# Altium PCB pay-ssm-v4-3.PcbDoc (part 4 of 4)
Units mm, origin at the board's own origin, x right, y up, seen from the top; angles counter-clockwise.
Board outline 127 x 55.12 mm, 6 copper layers (Top Layer, GND1, VCC, 3V3, GND2, Bottom Layer), stack 0.816 mm thick; 295 components, 220 nets, 1035 pads, 545 vias.
Unrouted connection lines stored in the file: 2.
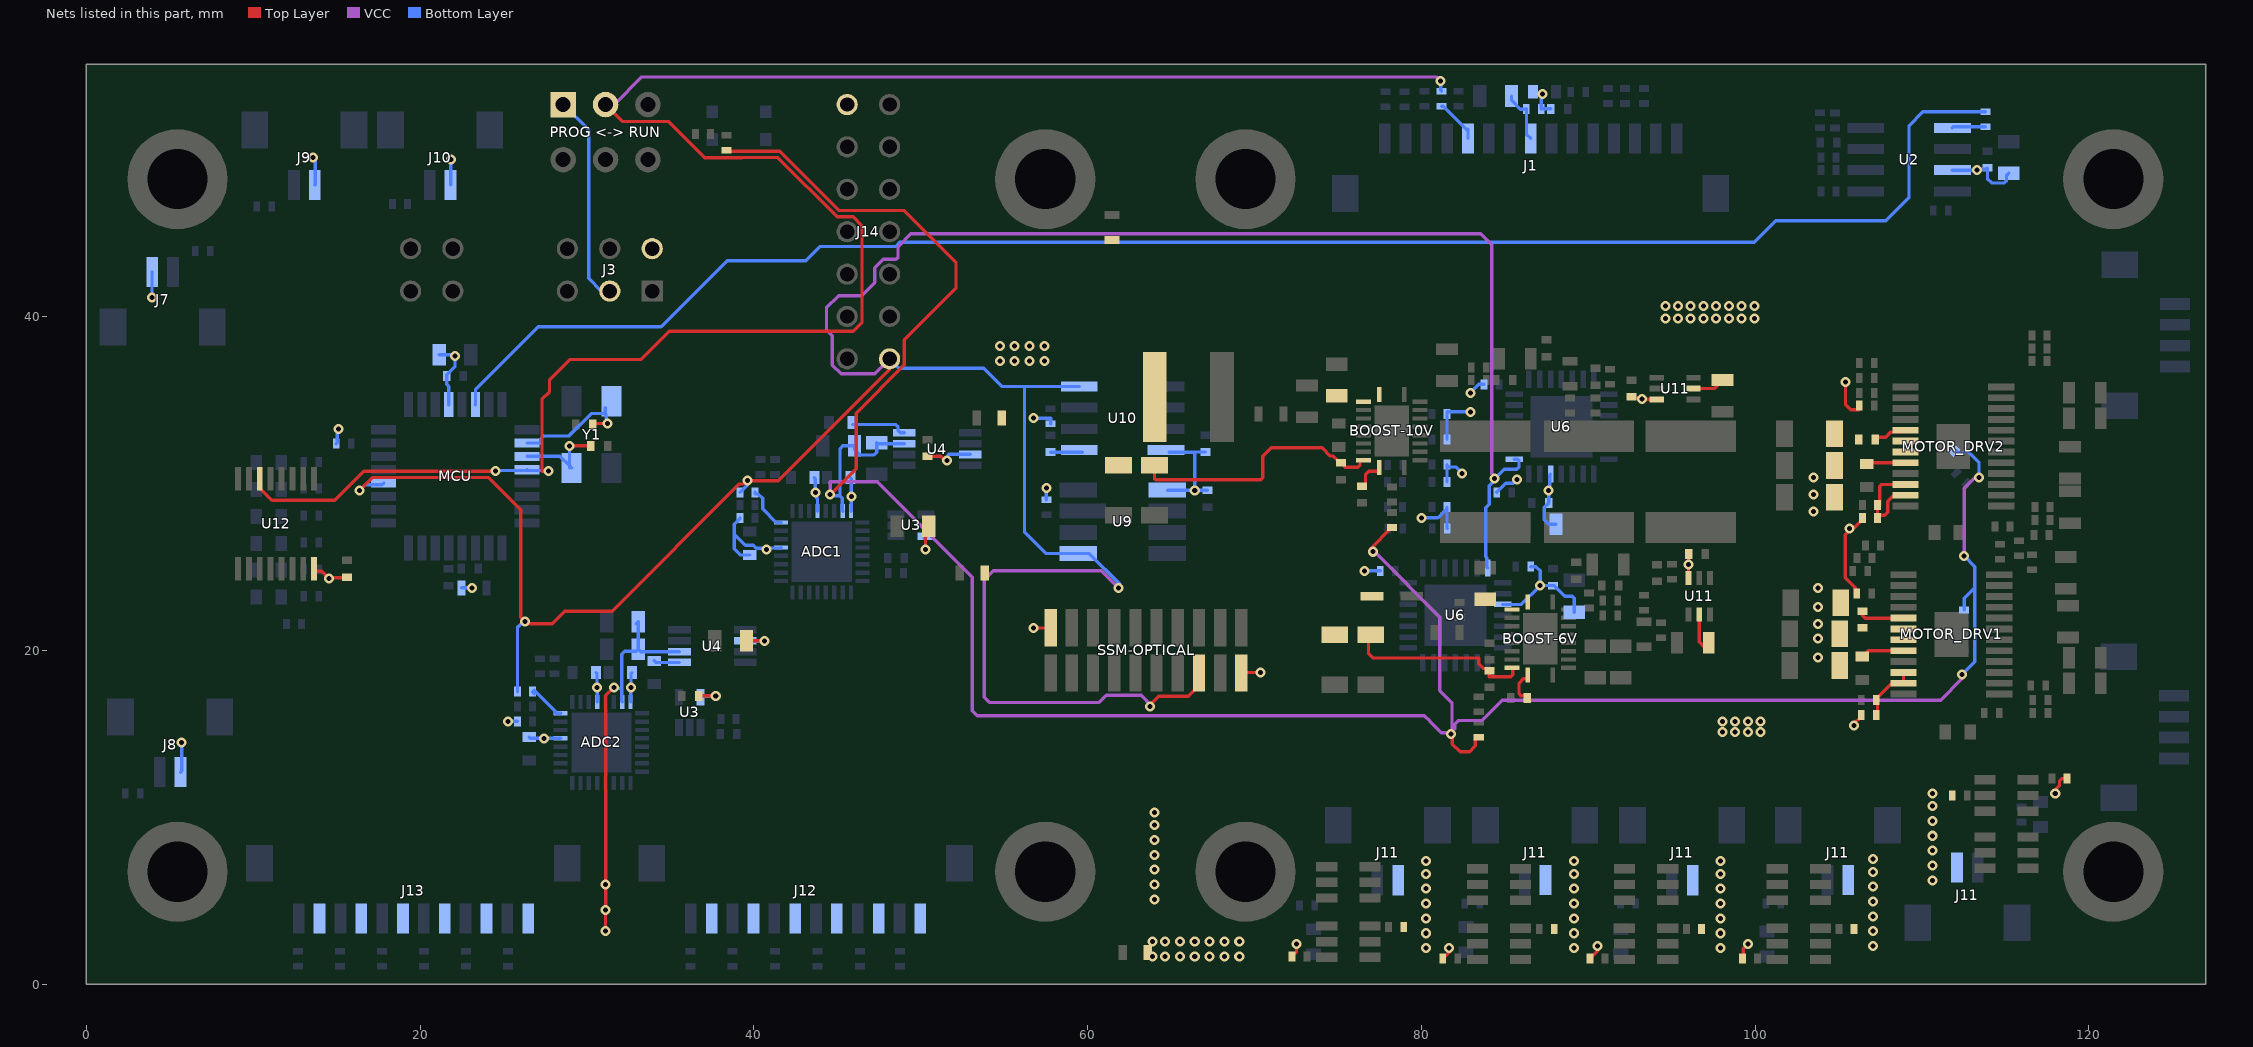
[diagram p8: the nets of this part, all layers, seen from the top]

## Via types
v1: diameter 0.6, hole 0.3, Top Layer to Bottom Layer, tented both sides, 545 vias

## Nets (pads, with @x,y where several pads share a name; then routed paths per layer and width w, separated by ;. In a path a pad name is that pad's centre, name@x,y a point inside that pad or via, vN(x,y) a via of type N, cw(c..) or ccw(c..) an arc to the next point about the centre after c; other vN are vias at no path point) (continued)
SCK: J14.14 MCU.28 R23.1 SSM-OPTICAL.16 U6.8 U9.1 U10.4 | length 184.7
  Top Layer w0.2: v1(16.383,29.591) 17.145,30.353 24.111,30.353 26.035,28.429 26.035,21.971 v1(26.289,21.717) 26.413,21.593 27.915,21.593 28.674,22.352 31.522,22.352 39.141,29.971 39.424,29.971 v1(39.624,30.171) 41.457,30.171 41.465,30.162 48.133,36.83 J14.14@48.133,37.465 ; v1(63.754,16.637) 63.754,16.745 64.263,17.254 66.037,17.254 66.675,17.892 SSM-OPTICAL.16@66.675,18.641
  VCC w0.2: J14.14@48.133,37.465 47.246,36.578 45.225,36.578 44.706,37.097 44.706,38.86 44.353,39.213 44.353,40.519 45.081,41.246 46.453,41.246 47.246,42.039 47.246,42.913 47.765,43.432 48.524,43.432 48.641,43.55 48.641,44.196 49.403,44.958 83.566,44.958 84.208,44.316 84.208,30.581 84.394,30.396 v1(84.394,30.288) ; v1(61.849,23.749) 60.833,24.765 54.356,24.765 53.804,24.213 53.804,17.189 54.118,16.875 60.687,16.875 61.129,17.316 63.221,17.316 63.544,16.993 63.544,16.955 63.754,16.745 v1(63.754,16.637)
  Bottom Layer w0.2: v1(16.383,29.591) 16.714,29.922 17.715,29.922 MCU.28@17.816,30.023 ; R23.1@25.839,17.526 25.839,21.413 25.877,21.413 26.181,21.717 v1(26.289,21.717) ; R23.1@39.174,29.464 39.624,29.914 v1(39.624,30.171) ; J14.14@48.133,37.465 48.699,36.899 53.779,36.899 54.864,35.814 56.217,35.814 ; U10.4@59.503,35.814 56.217,35.814 ; v1@61.942,23.723 61.942,23.97 60.111,25.801 U9.1@59.436,25.801 57.511,25.801 56.217,27.095 56.217,35.814 ; U6.8@83.992,24.933 83.927,24.998 83.927,25.542 83.849,25.62 83.849,28.54 84.061,28.752 84.061,29.869 84.394,30.201 v1(84.394,30.288) 84.967,30.861 85.725,30.861 85.852,30.988 85.852,31.386 85.787,31.451 U6.8@85.557,31.451
SCK_A: "PROG <-> RUN.1" J3.3 | length 12.6
  Bottom Layer w0.2: 28.575,52.705 30.099,51.181 30.099,42.291 30.861,41.529 J3.3@31.369,41.529
SCK_A/RX: "PROG <-> RUN.2" MCU.12 R5.2 U12.6 | length 120.8
  Top Layer w0.2: U12.6@10.399,30.292 10.399,29.71 11.124,28.985 14.888,28.985 16.637,30.734 v1(24.511,30.734) ; v1(27.686,30.734) 27.305,30.734 27.305,35.052 27.759,35.506 27.759,36.227 28.956,37.424 33.233,37.424 34.925,39.116 45.959,39.116 46.48,39.637 46.48,45.453 45.961,45.972 44.994,45.972 41.436,49.53 39.301,49.53 39.288,49.517 37.06,49.517 34.886,51.691 32.129,51.691 31.115,52.705
  VCC w0.2: 31.115,52.705 31.623,52.705 33.274,54.356 80.899,54.356 v1(81.153,54.102)
  Bottom Layer w0.2: v1(24.511,30.734) 24.555,30.778 26.372,30.778 MCU.12@26.416,30.823 26.46,30.778 27.642,30.778 v1(27.686,30.734) ; v1(81.153,54.102) 81.153,53.562 R5.2@81.209,53.507
SCK_A/RX_R: J1.5 R5.1 | length 2.8
  Bottom Layer w0.2: R5.1@81.209,52.607 81.309,52.607 82.745,51.171 82.797,51.223 J1.5@82.797,50.673
SCLK_R_ADC1: ADC1.24 R23.2@40.074,29.464 | length 2.7
  Bottom Layer w0.2: R23.2@40.074,29.464 40.074,29.364 40.269,29.364 40.526,29.107 40.526,28.476 41.344,27.658 ADC1.24@41.634,27.658
SCLK_R_ADC2: ADC2.24 R23.2@26.739,17.526 | length 2.6
  Bottom Layer w0.2: R23.2@26.739,17.526 26.739,17.499 26.839,17.399 26.839,17.611 28.106,16.344 28.106,16.258 28.136,16.228 ADC2.24@28.426,16.228
SS: BOOST-10V.10 C27.2 | length 2
  Top Layer w0.2: C27.2@76.454,29.837 76.529,29.837 76.654,29.962 76.654,30.553 76.835,30.734 77.452,30.734 77.482,30.764 BOOST-10V.10@77.482,30.962
SS2: BOOST-6V.10 C49.2 | length 2.1
  Top Layer w0.2: C49.2@86.352,17.145 86.352,17.147 86.227,17.272 85.969,17.272 85.852,17.389 85.852,18.034 86.106,18.288 86.342,18.288 86.372,18.318 BOOST-6V.10@86.372,18.516
TRIM/NR_ADC1: C13.2@45.912,33.655 U4.5@49.022,33.035 | length 3.5
  Bottom Layer w0.2: C13.2@45.912,33.528 48.514,33.528 48.641,33.401 48.641,33.16 48.766,33.035 U4.5@49.022,33.035
TRIM/NR_ADC2: C13.2@34.036,19.369 U4.5@35.547,19.274 | length 1.6
  Bottom Layer w0.2: C13.2@34.036,19.369 34.131,19.274 U4.5@35.547,19.274
TXCAN: MCU.6 R14.2 | length 100.8
  Bottom Layer w0.2: MCU.6@23.316,34.723 23.327,34.734 23.327,35.636 27.076,39.386 34.442,39.386 38.405,43.348 43.104,43.348 43.953,44.198 48.501,44.198 48.753,44.45 99.949,44.45 101.235,45.736 101.606,45.736 107.82,45.736 109.22,47.136 109.22,51.435 110.051,52.266 R14.2@113.792,52.266
TXD_R: R14.1 U2.1 | length 2
  Bottom Layer w0.2: U2.1@111.82,51.308 111.878,51.366 R14.1@113.792,51.366
VCC2V5_ADC1: ADC1.31 C14.2@47.371,32.446 C18.2@46.035,32.258 R36.2 R41.2 R42.2 R43.2 R76.2 U4.6@49.022,32.385 | length 159.3
  Top Layer w0.2: R76.2@38.354,49.911 41.554,49.911 45.11,46.355 49.022,46.355 52.114,43.263 52.114,41.691 49.022,38.598 49.022,37.099 46.13,34.207 46.13,30.89 v1(44.577,29.337) ; v1@76.933,26.064 R36.2@78.232,27.363 ; v1@81.832,15.03 v1(81.788,14.986) 81.861,14.913 81.861,14.386 82.321,13.926 82.887,13.926 83.239,14.278 83.239,14.69 83.339,14.79 R41.2@83.439,14.79
  VCC w0.2: v1(44.577,29.337) 44.577,30.099 47.4,30.099 50.038,27.461 50.038,27.432 53.086,24.384 53.086,16.383 53.384,16.085 80.181,16.085 80.518,15.748 80.518,15.729 81.188,15.059 81.715,15.059 v1(81.788,14.986) 81.788,15.094 81.832,15.139 v1@81.832,15.196 ; v1(77.089,25.908) 77.197,25.908 81.109,21.996 81.109,17.59 81.832,16.866 v1@81.832,15.196 ; v1@81.915,15.113 v1@81.832,15.196 ; v1@81.915,15.221 81.998,15.304 81.998,15.577 82.213,15.792 83.63,15.792 84.855,17.018 111.125,17.018 112.395,18.288 v1(112.395,18.542) ; v1(112.522,25.654) 112.522,29.718 113.157,30.353 v1(113.411,30.353)
  Bottom Layer w0.2: v1(44.577,29.337) 44.654,29.26 45.142,29.26 45.168,29.235 ; ADC1.31@45.319,28.343 45.295,28.367 45.295,29.108 45.168,29.235 ; U4.6@49.022,32.385 47.432,32.385 C14.2@47.371,32.446 47.371,31.873 47.206,31.708 46.335,31.708 46.035,32.008 C18.2@46.035,32.258 45.339,32.258 45.168,32.087 45.168,29.235 ; R43.2@111.95,31.941 112.077,31.941 112.242,31.776 112.417,31.776 112.552,31.911 112.761,31.911 113.411,31.261 v1(113.411,30.353) ; v1(112.395,18.542) 113.157,19.304 113.157,23.749 ; R42.2@112.522,22.421 112.522,23.114 113.157,23.749 ; v1(112.522,25.654) 113.157,25.019 113.157,23.749
VCC2V5_ADC2: ADC2.31 C14.2@33.081,21.717 C18.2@33.081,20.066 J12.1 J12.3 J12.5 J12.7 J12.9 J12.11 J13.1 J13.3 J13.5 J13.7 J13.9 J13.11 U4.6@35.547,19.924 | length 23.8
  Top Layer w0.2: v1@31.242,3.302 v1(31.115,3.175) v1(31.115,4.445) 31.134,4.464 31.134,17.297 v1(31.623,17.785)
  Bottom Layer w0.2: v1(31.623,17.785) 31.7,17.709 32.049,17.709 32.087,17.671 ; ADC2.31@32.111,16.913 32.087,16.937 32.087,17.671 ; C14.2@32.954,21.59 C14.2@33.081,21.717 C18.2@33.081,20.066 ; U4.6@35.547,19.924 33.223,19.924 C18.2@33.081,20.066 ; 32.087,17.671 32.087,19.768 32.258,19.939 32.954,19.939 C18.2@33.081,20.066
  other v1: 31.115,5.969
VCC3V3: ADC1.21 ADC1.28 ADC1.32 ADC2.21 ADC2.28 ADC2.32 C1.2 C2.2 C7.2 C8.2 C10.2 C12.2 C15.2 C16.2 C17.2 C41.2 C41_Port_Expander1.2 C41_Port_Expander2.2 C42.1 C43.2 C45.2 C46.2 C53.2 C54.2 J3.2 J7.1 J8.1 J9.1 J10.1 J14.1 L1.1 L4.2 MCU.4 R11.2 R24.2 R48.2 R49.2 R66_HEATER1.2 R66_HEATER2.2 R66_HEATER3.2 R66_HEATER4.2 R66_HEATER5.2 R67.2 R68.2 R69.2 R70.2 R71.2 R75.2 R77.2 SSM-OPTICAL.1 SSM-OPTICAL.20 U2.3 U3.5 U4.2 U6.5 U9.5 U10.8 U11.3 U12.16 | length 97.2
  Top Layer w0.2: U12.16@13.649,24.892 13.649,24.809 13.724,24.734 14.109,24.734 v1(14.533,24.309) 14.575,24.351 15.58,24.351 C46.2@15.621,24.392 ; C10.2@36.695,17.272 v1(37.719,17.272) ; C12.2@39.558,20.574 v1(40.64,20.574) ; v1(50.292,26.035) 50.292,27.244 C12.2@50.48,27.432 ; C10.2@50.419,31.631 51.192,31.631 51.454,31.369 v1(51.562,31.369) ; v1(56.769,21.336) 57.762,21.336 SSM-OPTICAL.1@57.785,21.359 ; SSM-OPTICAL.20@69.215,18.641 69.243,18.669 v1(70.358,18.669) ; R66_HEATER5.2@72.252,1.651 72.517,1.916 v1(72.517,2.413) ; R66_HEATER4.2@81.28,1.524 81.661,1.905 v1(81.661,2.159) ; R66_HEATER3.2@90.101,1.524 90.551,1.974 v1(90.551,2.286) ; C45.2@92.583,35.187 92.651,35.12 93.15,35.12 v1(93.218,35.052) 93.226,35.044 94.099,35.044 U11.3@94.107,35.037 ; U11.3@95.997,24.341 96.004,24.349 96.004,25.138 v1(96.012,25.146) 96.016,25.15 96.016,25.777 C45.2@96.02,25.781 ; R66_HEATER2.2@99.245,1.524 99.279,1.558 99.279,2.124 v1(99.568,2.413) ; v1(105.41,36.068) 105.41,34.737 105.73,34.417 R48.2@106.23,34.417 ; v1(105.918,15.494) 105.918,15.59 106.357,16.029 R49.2@106.357,16.129 ; R48.2@106.094,23.405 105.994,23.505 105.994,23.763 105.397,24.36 105.397,26.929 105.664,27.197 v1(105.664,27.305) 105.741,27.382 105.972,27.382 106.449,27.859 106.461,27.859 R49.2@106.542,27.94 ; v1(117.983,11.43) 117.983,11.658 118.239,11.914 118.239,12.194 118.364,12.319 R66_HEATER1.2@118.687,12.319
  Bottom Layer w0.2: v1@3.937,41.021 v1(3.937,41.148) 3.937,42.662 J7.1@3.947,42.672 ; J8.1@5.651,12.702 5.715,12.766 v1(5.715,14.478) ; J9.1@13.696,47.879 13.716,47.899 v1@13.716,49.403 ; R11.2@14.975,32.385 15.044,32.454 15.044,33.205 v1(15.113,33.274) ; C1.2@21.148,37.719 v1@22.098,37.719 ; MCU.4@21.717,34.723 21.717,35.56 21.717,35.814 21.598,35.933 C2.2@21.598,36.449 21.598,36.524 22.098,37.024 v1(22.098,37.633) ; J10.1@21.824,47.879 21.844,47.899 v1(21.844,49.403) ; L1.1@22.483,23.749 v1(23.106,23.749) ; v1(25.273,15.748) R24.2@25.839,15.748 ; C16.2@26.543,14.797 26.608,14.732 v1(27.432,14.732) 27.434,14.73 28.424,14.73 ADC2.21@28.426,14.728 ; C17.2@30.545,18.669 30.607,18.607 v1(30.607,17.78) 30.609,17.778 30.609,16.915 ADC2.28@30.611,16.913 ; ADC2.32@32.611,16.913 32.625,16.927 32.625,17.766 v1(32.639,17.78) 32.639,18.604 C15.2@32.704,18.669 ; U3.5@36.812,17.182 36.902,17.272 v1(37.719,17.272) ; R24.2@39.174,27.94 39.174,27.913 38.82,27.559 38.82,26.966 ; U4.2@39.497,20.574 v1(40.64,20.574) ; C16.2@39.751,25.716 39.181,25.716 38.82,26.077 38.82,26.966 ; ADC1.21@41.634,26.158 41.604,26.128 40.968,26.128 40.875,26.035 v1(40.767,26.035) 40.69,26.112 40.455,26.112 40.451,26.116 40.132,26.116 39.959,26.289 39.497,26.289 38.82,26.966 ; C17.2@43.626,30.353 43.688,30.291 v1(43.688,29.464) 43.765,29.387 43.765,29.117 43.819,29.063 ADC1.28@43.819,28.343 ; C15.2@45.785,30.353 45.847,30.291 v1(45.847,29.21) 45.833,29.196 45.833,28.357 ADC1.32@45.819,28.343 ; v1(50.292,26.035) 50.292,26.636 50.209,26.718 U3.5@50.323,26.832 ; v1(51.562,31.369) 51.639,31.446 51.639,31.702 51.679,31.742 52.964,31.742 U4.2@52.972,31.735 ; v1(56.769,33.909) 57.785,33.909 R77.2@57.785,33.586 ; R75.2@57.531,29.025 v1(57.531,29.718) ; U9.5@64.786,29.601 64.796,29.591 v1(66.421,29.591) ; U10.8@64.89,31.877 66.421,31.877 v1(66.421,29.591) ; 66.421,31.885 C43.2@67.056,31.885 ; C42.1@67.183,29.583 67.179,29.587 66.425,29.587 v1(66.421,29.591) ; v1(76.581,24.765) R68.2@77.528,24.765 ; v1@80.015,27.945 v1(80.01,27.94) 80.999,27.94 R70.2@81.534,28.475 ; R71.2@81.534,30.099 R71.2@81.534,31.003 ; R71.2@81.534,31.13 81.534,31.088 81.634,30.988 82.052,30.988 82.423,30.617 v1(82.423,30.607) v1@82.367,30.551 ; R70.2@81.534,32.631 R69.2@81.534,34.163 81.534,34.29 v1(82.931,34.29) ; R70.2@81.539,28.58 R70.2@81.534,28.575 R70.2@81.534,28.475 ; R69.2@81.545,27.305 81.534,27.316 R70.2@81.534,28.475 ; v1(82.951,35.413) 82.951,35.463 83.429,35.941 R68.2@83.751,35.941 ; R67.2@84.513,29.464 85.065,30.016 85.515,30.016 v1(85.725,30.226) ; U6.5@84.877,22.748 85.994,22.748 v1(87.122,23.876) ; R67.2@86.556,25.019 86.868,25.019 87.122,24.765 v1(87.122,23.876) ; v1(87.249,53.34) 87.201,53.34 87.191,53.35 L4.2@87.191,52.451 C53.2@87.765,52.451 ; U6.5@87.742,30.566 87.686,30.51 87.686,29.647 v1(87.63,29.591) 87.626,29.587 87.626,28.833 C41.2@87.622,28.829 87.369,28.576 87.369,27.81 87.62,27.559 C41_Port_Expander1.2@88.072,27.559 ; C41_Port_Expander2.2@89.154,22.291 89.154,23.124 89.037,23.241 88.602,23.241 87.959,23.884 C41.2@87.884,23.884 87.13,23.884 v1(87.122,23.876) ; U2.3@111.82,48.768 v1(113.284,48.768) 113.352,48.836 113.851,48.836 C8.2@113.919,48.903 113.919,48.26 114.173,48.006 114.935,48.006 115.062,48.133 115.062,48.453 C7.2@115.189,48.58
  other v1: 13.589,49.53
VCC3V3_IN: C55.2 J1.8 L4.1 | length 3.3
  Bottom Layer w0.2: C55.2@85.405,53.213 85.405,52.963 85.939,52.429 86.269,52.429 L4.1@86.291,52.451 86.297,52.445 86.297,50.923 J1.8@86.547,50.673
VCC_BOOST: BOOST-10V.1 BOOST-10V.2 C25.2
VCC_BOOST2: BOOST-6V.1 BOOST-6V.2 C47.2
VCC_HEATER: BATT2HEAT.2 J11.1 R65_HEATER1.2 R65_HEATER2.2 R65_HEATER3.2 R65_HEATER4.2 R65_HEATER5.2 R87.2 U11.5@96.647,22.141 | length 2.4
  Top Layer w0.2: U11.5@96.647,22.141 96.647,20.512 96.966,20.193 97.216,20.443 R87.2@97.216,20.447
  other v1: 63.881,1.651 64.643,1.651 65.532,1.651 66.421,1.651 67.31,1.651 68.199,1.651 69.088,1.651 80.264,2.159 89.154,2.159 97.917,2.159 107.061,2.286 63.881,2.54 64.643,2.54 65.532,2.54 66.421,2.54 67.31,2.54 68.199,2.54 69.088,2.54 80.264,3.048 89.154,3.048 97.917,3.048 107.061,3.175 80.264,3.937 89.154,3.937 97.917,3.937 107.061,4.064 80.264,4.826 89.154,4.826 97.917,4.826 107.061,4.953 64.008,5.08 80.264,5.715 89.154,5.715 97.917,5.715 107.061,5.842 64.008,5.969 110.617,6.223 80.264,6.604 89.154,6.604 97.917,6.604 107.061,6.731 64.008,6.858 110.617,7.112 80.264,7.366 89.154,7.366 97.917,7.366 107.061,7.493 64.008,7.747 110.617,8.001 64.008,8.636 110.617,8.89 64.008,9.525 110.617,9.779 64.008,10.287 110.617,10.668 110.617,11.43 98.044,15.113 98.806,15.113 99.568,15.113 100.33,15.113 98.044,15.748 98.806,15.748 99.568,15.748 100.33,15.748
VCC_MOTOR: BATT2MOT.2 C36.2 C37.2 C38.2 C39.2 MOTOR_DRV1.18 MOTOR_DRV1.19 MOTOR_DRV2.18 MOTOR_DRV2.19 R28.2 U11.5@96.307,35.687 | length 1.9
  Top Layer w0.2: U11.5@96.307,35.687 97.536,35.687 R28.2@98.044,36.195
  other v1: 103.759,19.558 103.759,20.701 103.759,21.59 103.759,22.606 103.759,23.749 103.505,28.321 103.505,29.337 103.505,30.353 54.737,37.338 55.626,37.338 56.515,37.338 57.404,37.338 54.737,38.227 55.626,38.227 56.515,38.227 57.404,38.227 94.615,39.878 95.377,39.878 96.139,39.878 96.901,39.878 97.663,39.878 98.425,39.878 99.187,39.878 99.949,39.878 94.615,40.64 95.377,40.64 96.139,40.64 96.901,40.64 97.663,40.64 98.425,40.64 99.187,40.64 99.949,40.64
VCORE_HM: C44.1 U10.1 | length 1.9
  Bottom Layer w0.2: C44.1@57.785,31.885 57.793,31.877 U10.1@59.69,31.877
VCP_MOTOR_DRV1: C36.1@106.426,22.352 MOTOR_DRV1.17 | length 2.4
  Top Layer w0.2: C36.1@106.426,22.352 106.426,22.088 106.584,21.93 108.475,21.93 MOTOR_DRV1.17@108.508,21.897
VCP_MOTOR_DRV2: C36.1@107.195,32.639 MOTOR_DRV2.17 | length 1.9
  Top Layer w0.2: C36.1@107.307,32.639 107.307,32.641 107.432,32.766 107.823,32.766 108.141,33.084 108.901,33.084 MOTOR_DRV2.17@109.006,33.189
VIN_BOOST: BATT2BST10V.1 BOOST-10V.9 C20.2 C22.2 C23.2 L2.1 | length 15.8
  Top Layer w0.2: C23.2@64.008,31.091 64.008,30.291 64.073,30.226 70.381,30.226 70.499,30.343 70.499,31.637 70.993,32.131 74.062,32.131 74.552,31.641 74.731,31.641 75.138,31.234 C20.2@75.184,31.234 75.259,31.234 75.384,31.109 75.384,31.034 75.438,30.98 76.192,30.98 76.327,31.115 76.327,31.367 76.357,31.397 BOOST-10V.9@76.547,31.397
VIN_BOOST2: BATT2BST6V.1 BOOST-6V.9 C32.2 C33.2 C34.2 L3.1 | length 11.3
  Top Layer w0.2: C33.2@76.962,20.931 76.835,20.804 76.835,19.784 77.075,19.544 83.439,19.544 83.439,19.192 83.718,18.913 83.949,18.913 C32.2@84.074,18.788 84.074,18.415 85.354,18.415 85.471,18.532 85.471,18.921 85.441,18.951 BOOST-6V.9@85.437,18.951
VINT_MOTOR_DRV1: C40.1@106.426,19.623 MOTOR_DRV1.20 | length 2.6
  Top Layer w0.2: C40.1@106.426,19.623 106.783,19.98 MOTOR_DRV1.20@108.89,19.98
VINT_MOTOR_DRV2: C40.1@106.695,31.18 MOTOR_DRV2.20 | length 2.2
  Top Layer w0.2: C40.1@106.807,31.18 106.907,31.18 106.966,31.239 MOTOR_DRV2.20@109.006,31.239
XTAL1: C5.2 MCU.10 Y1.1 | length 7.5
  Top Layer w0.2: C5.2@30.337,33.528 30.4,33.591 v1(31.223,33.591)
  Bottom Layer w0.2: MCU.10@26.416,32.423 27.271,32.423 27.271,32.696 27.418,32.843 28.906,32.843 30.254,34.191 30.983,34.191 Y1.1@31.103,34.312 ; Y1.1@31.103,34.545 Y1.1@31.103,34.312 ; v1(31.223,33.591) Y1.1@31.103,34.312
XTAL2: C6.2 MCU.11 Y1.3 | length 5.6
  Top Layer w0.2: v1(28.956,32.258) C6.2@30.234,32.258
  Bottom Layer w0.2: MCU.11@26.416,31.623 28.385,31.623 Y1.3@28.956,31.052 ; Y1.3@28.956,30.925 Y1.3@28.956,31.052 ; v1(28.956,32.258) Y1.3@28.956,31.052 ; Y1.3@29.083,30.925 Y1.3@28.956,31.052
xVREF_MOTOR_DRV1: MOTOR_DRV1.22 MOTOR_DRV1.23 R49.1@107.257,16.129 R50.2@107.257,17.018 | length 3.4
  Top Layer w0.2: R49.1@107.257,16.129 107.328,16.2 R50.2@107.328,17.013 ; R50.2@107.399,17.236 108.193,18.03 MOTOR_DRV1.23@108.89,18.03 MOTOR_DRV1.22@108.89,18.68
xVREF_MOTOR_DRV2: MOTOR_DRV2.22 MOTOR_DRV2.23 R49.1@107.33,27.94 R50.2@107.33,28.702 | length 5.9
  Top Layer w0.2: R49.1@107.33,27.94 R50.2@107.33,28.702 ; R49.1@107.442,28.002 107.542,28.102 107.766,28.102 107.942,28.278 107.942,28.922 108.309,29.289 MOTOR_DRV2.23@109.006,29.289 ; R50.2@107.459,28.719 107.459,29.822 107.577,29.939 MOTOR_DRV2.22@109.006,29.939
pads on no net: BOOST-6V.13 BOOST-10V.13 J1. J5. J6. J7. J8. J9. J10. J11. J12. J13. MOTOR_DRV1.24 MOTOR_DRV2.24 U4.1 U4.3 U4.7 U4.8 U9.4 U10.6 U10.7

## Polygon pours and split planes (outlines as drawn)
GND on Top Layer "BIG-GND-TOP" (solid, remove dead copper, pour order 649): 0,55.118 0,0 127.127,0 127.127,55.118
VIN_BOOST2 on Top Layer "Top Layer-VIN_BOOST2" (solid, pour order 625): 72.136,19.709 77.978,19.709 77.978,25.678 52.959,25.678 52.908,25.73 52.908,23.553 72.136,23.553
GND on Top Layer "GND_L01_P570" (solid, pour order 570): 78.29,0.635 78.29,1.905 75.623,1.905 75.623,0.635
GND on Top Layer "GND_L01_P574" (solid, pour order 574): 77.782,4.166 77.782,5.436 75.115,5.436 75.115,4.166
VCC_HEATER on Top Layer "VCC_HEATER_L01_P536" (solid, pour order 536): 80.576,0.635 78.417,0.635 78.417,3.915 78.036,4.296 78.036,8.15 80.576,8.15
NetJ11_HEATER5_2 on Top Layer "NETJ11_HEATER5_2_L01_P578" (solid, pour order 578): 77.846,5.461 77.846,8.128 73.147,8.128 73.147,5.461
HEATER_EN_PU_HEATER5 on Top Layer "HEATER_EN_PU_HEATER5_L01_P592" (solid, pour order 592): 78.29,2.159 78.29,3.937 73.21,3.937 73.21,2.159
GND on Top Layer "GND_L01_P569" (solid, pour order 569): 87.318,0.508 87.318,1.778 84.651,1.778 84.651,0.508
GND on Top Layer "GND_L01_P573" (solid, pour order 573): 86.81,4.039 86.81,5.309 84.143,5.309 84.143,4.039
VCC_HEATER on Top Layer "VCC_HEATER_L01_P535" (solid, pour order 535): 89.604,0.508 87.445,0.508 87.445,3.788 87.064,4.169 87.064,8.023 89.604,8.023
NetJ11_HEATER4_2 on Top Layer "NETJ11_HEATER4_2_L01_P577" (solid, pour order 577): 86.873,5.334 86.873,8.001 82.174,8.001 82.174,5.334
HEATER_EN_PU_HEATER4 on Top Layer "HEATER_EN_PU_HEATER4_L01_P589" (solid, pour order 589): 87.318,2.032 87.318,3.81 82.238,3.81 82.238,2.032
GND on Top Layer "GND_L01_P568" (solid, pour order 568): 96.139,0.508 96.139,1.778 93.472,1.778 93.472,0.508
GND on Top Layer "GND_L01_P572" (solid, pour order 572): 95.631,4.039 95.631,5.309 92.964,5.309 92.964,4.039
VCC_HEATER on Top Layer "VCC_HEATER_L01_P534" (solid, pour order 534): 98.425,0.508 96.266,0.508 96.266,3.788 95.885,4.169 95.885,8.023 98.425,8.023
NetJ11_HEATER3_2 on Top Layer "NETJ11_HEATER3_2_L01_P576" (solid, pour order 576): 95.694,5.334 95.694,8.001 90.995,8.001 90.995,5.334
HEATER_EN_PU_HEATER3 on Top Layer "HEATER_EN_PU_HEATER3_L01_P588" (solid, pour order 588): 96.139,2.032 96.139,3.81 91.059,3.81 91.059,2.032
BOOST2_OUT on Top Layer "Top Layer-BOOST2_OUT" (solid, pour order 550): 88.646,21.082 88.646,19.812 92.329,19.812 94.361,17.78 94.361,14.478 96.266,14.478 96.266,21.082
VCC_MOTOR on Top Layer "Top Layer-VCC_MOTOR" (solid, pour order 548): 109.855,31.623 109.855,33.02 105.918,33.02 105.537,33.909 103.124,33.909 103.124,27.94 105.918,27.94 106.172,31.623
VCC_HEATER on Top Layer "VCC_HEATER_L01_P601" (solid, pour order 601): 63.246,14.732 71.882,14.732 71.882,0.762 63.246,0.762
+BATT on Top Layer "+BATT_L01_P600" (solid, pour order 600): 53.721,14.605 62.762,14.605 62.762,0.82 53.721,0.82
+BATT on Top Layer "+BATT_L01_P593" (solid, pour order 593): 43.942,54.626 43.942,45.72 103.632,45.72 103.632,54.626
VCC_HEATER on Top Layer "BST-HEATER-out" (solid, pour order 609): 96.52,14.478 100.838,14.478 100.838,21.082 98.974,21.082 96.52,21.082
AISEN_MOTOR_DRV2 on Top Layer "AISEN_MOTOR_DRV2_L01_P603" (solid, pour order 603): 113.919,30.988 116.505,30.896 117.856,29.845 117.856,28.321 119.888,28.321 119.888,31.496 113.792,31.496
BISEN_MOTOR_DRV2 on Top Layer "BISEN_MOTOR_DRV2_L01_P602" (solid, pour order 602): 113.809,33.482 113.809,32.832 116.925,32.832 118.339,33.23 118.339,32.639 119.934,32.639 119.934,36.276 119.888,36.322 118.226,36.322 118.226,34.657 116.046,33.482
AISEN_MOTOR_DRV1 on Top Layer "AISEN_MOTOR_DRV1_L01_P530" (solid, remove dead copper, pour order 530): 113.919,19.685 116.505,19.593 117.856,18.542 117.856,17.272 119.888,17.272 119.888,20.32 113.792,20.193
BISEN_MOTOR_DRV1 on Top Layer "BISEN_MOTOR_DRV1_L01_P531" (solid, pour order 531): 113.693,22.223 113.693,21.722 116.958,21.722 118.223,21.844 118.223,21.223 119.818,21.223 119.818,24.581 119.761,24.638 117.729,24.638 117.729,23.075 116.147,22.223
BOOST_OUT on Top Layer "Top Layer-BOOST_OUT" (solid, pour order 556): 79.375,32.258 80.391,32.258 80.772,31.877 80.772,29.591 99.822,29.591 100.838,29.591 100.838,34.671 79.375,34.671
VCC_MOTOR on Top Layer "VCC_MOTOR_L01_P596" (solid, pour order 596): 54.102,40.513 59.309,40.513 59.309,25.781 54.102,25.781
+BATT on Top Layer "+BATT_L01_P595" (solid, pour order 595): 48.26,40.513 53.999,40.513 53.999,25.781 48.26,25.781
+BATT on Top Layer "+BATT_L01_P594" (solid, pour order 594): 48.26,25.654 52.856,25.654 52.856,14.536 48.26,14.536
GND on Top Layer "GND_L01_P532" (solid, pour order 532): 52.908,23.553 52.908,14.478 71.983,14.478 71.983,23.553
HEATER_EN_PU_HEATER2 on Top Layer "HEATER_EN_PU_HEATER2_L01_P579" (solid, pour order 579): 105.283,2.032 105.283,3.81 100.203,3.81 100.203,2.032
NetJ11_HEATER2_2 on Top Layer "NETJ11_HEATER2_2_L01_P575" (solid, pour order 575): 104.838,5.334 104.838,8.001 100.139,8.001 100.139,5.334
VCC_HEATER on Top Layer "VCC_HEATER_L01_P533" (solid, pour order 533): 107.569,0.508 105.41,0.508 105.41,3.788 105.029,4.169 105.029,8.023 107.569,8.023
GND on Top Layer "GND_L01_P571" (solid, pour order 571): 104.775,4.039 104.775,5.309 102.108,5.309 102.108,4.039
GND on Top Layer "GND_L01_P567" (solid, pour order 567): 105.283,0.508 105.283,1.778 102.616,1.778 102.616,0.508
GND on Top Layer "GND_L01_P566" (solid, pour order 566): 112.395,13.081 112.395,11.811 115.062,11.811 115.062,13.081
GND on Top Layer "GND_L01_P565" (solid, pour order 565): 112.903,9.779 112.903,8.509 115.57,8.509 115.57,9.779
no net on Top Layer "Top Layer-No Net 1" (solid, pour order 564): 113.03,9.779
VCC_HEATER on Top Layer "VCC_HEATER_L01_P562" (solid, pour order 562): 110.04,12.065 112.199,12.065 112.199,9.793 112.58,9.412 112.58,5.602 110.04,5.602
NetJ11_HEATER1_2 on Top Layer "NETJ11_HEATER1_2_L01_P561" (solid, pour order 561): 112.903,8.382 112.903,5.715 117.602,5.715 117.602,8.382
no net on Top Layer "Top Layer-No Net 2" (solid, pour order 560): 111.506,8.128
HEATER_EN_PU_HEATER1 on Top Layer "heat1-ENPU" (solid, pour order 559): 112.395,11.684 112.395,9.906 117.221,9.906 117.221,11.684
VCC_MOTOR on Top Layer "VCC-motor-10V" (solid, pour order 557): 96.551,37.152 97.536,35.433 100.816,35.433 100.816,35.56 100.816,35.687 100.816,44.958 93.345,44.958 93.323,44.936 93.323,37.152
VIN_BOOST on Top Layer "BST1-in" (solid, pour order 555): 59.436,44.958 59.436,30.226 66.04,30.226 66.04,44.958
GND on Top Layer "GND-BST2" (solid, pour order 551): 81.068,25.977 81.068,20.81 100.838,20.81 100.838,25.977
VCC_MOTOR on Top Layer "VCC-MOTOR1" (solid, pour order 549): 109.728,20.32 109.728,21.743 105.741,21.743 105.622,24.13 103.251,24.13 103.251,18.034 105.655,18.034 105.812,20.32
IND_BOOST2_SENSE on Top Layer "IND-BST2-SENSE" (solid, pour order 545): 81.699,22.225 82.677,22.225 82.677,21.59 85.979,21.59 85.979,19.812 81.699,19.812
VCC_BOOST2 on Top Layer "VCC-BST2" (solid, pour order 544): 83.058,22.225 86.741,22.225 86.741,23.622 83.058,23.622
IND_BOOST2 on Top Layer "IND-BST2" (solid, pour order 542): 81.534,19.685 81.534,25.654 78.105,25.654 78.105,19.685
VCC_BOOST on Top Layer "VCC-BST1" (solid, pour order 541): 74.041,34.671 77.978,34.671 77.978,35.814 74.041,35.814
no net on Top Layer "Top Layer-No Net" (solid, pour order 540): 85.217,53.34
IND_BOOST on Top Layer "IND-BST1" (solid, pour order 539): 70.612,30.226 70.612,39.243 66.294,39.243 66.294,30.226
IND_BOOST_SENSE on Top Layer "IND-BST1-SENSE" (solid, pour order 537): 70.866,35.306 71.882,35.306 73.328,34.342 77.089,34.342 77.089,32.258 76.962,32.258 70.866,32.258
GND on Bottom Layer "GND_L06_P657" (solid, remove dead copper, pour order 657): 39.174,29.845 39.174,22.352 47.551,22.352 47.551,29.845
GND on Bottom Layer "GND_L06_P655" (solid, remove dead copper, pour order 655): 27.305,17.653 27.432,17.526 27.432,10.16 34.597,10.16 34.597,17.653
GND on Bottom Layer "GND_L06_P653" (solid, remove dead copper, pour order 653): 84.836,37.084 84.963,36.957 84.963,29.591 92.128,29.591 92.128,37.084
GND on Bottom Layer "GND_L06_P651" (solid, remove dead copper, pour order 651): 78.359,25.908 78.486,25.781 78.486,18.415 85.651,18.415 85.651,25.908
GND on Bottom Layer "BIG-GND-BOT" (solid, remove dead copper, pour order 647): 0.234,55.675 0.234,0.557 127.107,0.557 127.234,0.43 127.234,55.548
NetJ11_HEATER5_2 on Bottom Layer "NETJ11_HEATER5_2_L06_P587" (solid, pour order 587): 78.036,5.334 78.036,8.255 73.128,8.255 73.128,5.334
VCC_HEATER on Bottom Layer "VCC_HEATER_L06_P553" (solid, pour order 553): 80.772,0.635 80.772,8.255 78.163,8.255 78.163,4.064 78.163,0.635
NetJ11_HEATER4_2 on Bottom Layer "NETJ11_HEATER4_2_L06_P586" (solid, pour order 586): 86.741,5.334 86.741,8.128 82.156,8.128 82.156,5.334
VCC_HEATER on Bottom Layer "VCC_HEATER_L06_P558" (solid, pour order 558): 89.789,0.508 89.789,8.128 86.868,8.128 86.868,4.26 86.868,0.508
NetJ11_HEATER3_2 on Bottom Layer "NETJ11_HEATER3_2_L06_P585" (solid, pour order 585): 95.885,5.334 95.885,8.128 90.977,8.128 90.977,5.334
VCC_HEATER on Bottom Layer "VCC_HEATER_L06_P563" (solid, pour order 563): 98.679,0.508 98.679,8.128 95.754,8.128 95.754,4.195 95.754,0.508
AOUT1_MOTOR_DRV1 on Bottom Layer "AOUT1_MOTOR_DRV1_L06_P620" (solid, pour order 620): 120.65,13.144 126.111,13.144 126.111,14.034 125.857,14.034 120.65,14.034
BOUT1_MOTOR_DRV1 on Bottom Layer "BOUT1_MOTOR_DRV1_L06_P599" (solid, remove dead copper, pour order 599): 120.65,16.891 126.111,16.891 126.111,17.78 125.857,17.78 120.65,17.78
BOUT2_MOTOR_DRV1 on Bottom Layer "BOUT2_MOTOR_DRV1_L06_P598" (solid, pour order 598): 120.65,15.621 126.111,15.621 126.111,16.51 125.857,16.51 120.65,16.51
AOUT2_MOTOR_DRV1 on Bottom Layer "AOUT2_MOTOR_DRV1_L06_P583" (solid, pour order 583): 120.65,14.351 126.111,14.351 126.111,15.24 125.857,15.24 120.65,15.24
BOUT1_MOTOR_DRV2 on Bottom Layer "BOUT1_MOTOR_DRV2_L06_P607" (solid, pour order 607): 121.666,37.465 126.238,37.465 126.238,36.576 125.984,36.576 121.666,36.576
BOUT2_MOTOR_DRV2 on Bottom Layer "BOUT2_MOTOR_DRV2_L06_P606" (solid, pour order 606): 121.666,38.735 126.238,38.735 126.238,37.846 125.984,37.846 121.666,37.846
AOUT2_MOTOR_DRV2 on Bottom Layer "AOUT2_MOTOR_DRV2_L06_P605" (solid, pour order 605): 121.666,40.005 126.238,40.005 126.238,39.116 125.984,39.116 121.666,39.116
AOUT1_MOTOR_DRV2 on Bottom Layer "AOUT1_MOTOR_DRV2_L06_P604" (solid, pour order 604): 121.666,41.275 126.238,41.275 126.238,40.386 125.984,40.386 121.666,40.386
GND on Bottom Layer "GND_L06_P617" (solid, pour order 617): 28.025,36.158 28.02,29.718 32.432,29.718 32.432,36.158
VCC2V5_ADC2 on Bottom Layer "VCC2V5_ADC2_L06_P612" (solid, pour order 612): 53.236,7.076 53.236,1.397 29.614,1.397 29.614,7.076
VCC2V5_ADC2 on Bottom Layer "VCC2V5_ADC2_L06_P611" (solid, pour order 611): 32.418,7.112 32.418,1.397 8.863,1.397 8.863,7.112
+BATT on Bottom Layer "+batt-bottom-pour" (solid, remove dead copper, pour order 584): 43.873,54.644 43.873,45.627 102.108,45.627 102.108,54.644
VCC_HEATER on Bottom Layer "VCC_HEATER_L06_P543" (solid, pour order 543): 107.95,0.508 107.95,8.128 105.156,8.128 105.156,3.937 105.156,0.508
NetJ11_HEATER2_2 on Bottom Layer "NETJ11_HEATER2_2_L06_P582" (solid, pour order 582): 105.029,5.334 105.029,8.128 100.121,8.128 100.121,5.334
VCC_HEATER on Bottom Layer "VCC_HEATER_L06_P581" (solid, pour order 581): 110.109,12.065 110.109,5.715 112.649,5.715 112.649,9.779 112.649,12.065
NetJ11_HEATER1_2 on Bottom Layer "NETJ11_HEATER1_2_L06_P580" (solid, pour order 580): 112.903,8.382 112.903,5.715 117.602,5.715 117.602,8.382
AOUT1_MOTOR_DRV2 on VCC "AOUT1_MOTOR_DRV2_L03_P635" (solid, remove dead copper, pour order 635): 118.364,30.923 118.364,29.083 118.237,29.083 113.792,29.083 111.76,31.115 111.76,38.904 117.796,42.037 126.492,42.037 126.492,40.259 118.713,40.259 113.411,37.338 113.411,32.193
AOUT2_MOTOR_DRV2 on VCC "AOUT2_MOTOR_DRV2_L03_P547" (solid, pour order 547): 126.365,40.132 126.365,38.989 126.238,38.862 121.666,38.862 117.221,37.084 115.062,35.687 115.062,32.385 115.062,32.258 118.491,32.258 118.491,31.115 118.364,30.988 114.681,30.988 113.411,32.258 113.411,37.338 118.713,40.037 120.65,40.132
BOUT2_MOTOR_DRV2 on VCC "BOUT2_MOTOR_DRV2_L03_P633" (solid, pour order 633): 118.491,32.258 118.491,32.385 118.11,32.385 114.884,32.385 114.935,35.814 121.92,38.862 126.238,38.862 126.111,38.735 126.238,38.481 126.238,37.744 121.92,37.744 121.92,35.814 121.92,35.179 116.205,35.179 115.824,33.782 118.491,33.782
BOUT1_MOTOR_DRV2 on VCC "BOUT1_MOTOR_DRV2_L03_P631" (solid, remove dead copper, pour order 631): 116.459,35.179 121.92,35.179 121.92,37.744 126.238,37.744 126.238,37.592 126.238,33.782 120.142,33.782 115.824,33.782
AOUT1_MOTOR_DRV1 on VCC "AOUT1_MOTOR_DRV1_L03_P629" (solid, pour order 629): 115.189,19.685 117.017,19.685 117.529,18.319 120.256,14.065 125.857,14.351 125.857,12.573 118.872,12.573 115.951,18.288
AOUT2_MOTOR_DRV1 on VCC "AOUT2_MOTOR_DRV1_L03_P621" (solid, remove dead copper, pour order 621): 115.189,21.082 115.189,19.685 117.017,19.685 117.275,18.996 117.449,18.532 120.015,14.351 125.857,14.351 125.857,15.621 120.94,15.621 117.275,21.082
BOUT2_MOTOR_DRV1 on VCC "BOUT2_MOTOR_DRV1_L03_P552" (solid, remove dead copper, pour order 552): 115.189,22.225 115.189,21.082 117.348,21.082 117.856,20.574 117.99,20.32 120.904,15.621 125.857,15.621 125.857,16.891 121.539,16.891 120.142,19.304 118.391,22.225
BOUT1_MOTOR_DRV1 on VCC "BOUT1_MOTOR_DRV1_L03_P627" (solid, remove dead copper, pour order 627): 115.189,22.352 118.377,22.352 120.142,19.558 121.666,16.993 125.984,16.993 125.984,17.145 125.984,18.161 120.396,20.955 120.142,22.352 118.872,23.622 115.189,23.622
VCC_MOTOR on VCC "VCC_MOTOR_L03_P641" (solid, pour order 641): 54.229,45.72 54.229,16.624 127,16.624 127,45.72
+BATT on VCC "+BATT_L03_P645" (solid, remove dead copper, pour order 645): 0,54.991 127,54.991 127,0 0,-0.004
VCC_HEATER on VCC "6V-VCC" (solid, pour order 643): 63.119,16.891 63.119,0.381 127,0.381 127,16.891
VCC3V3 on 3V3 "VCC3V3_L04_P597" (solid, pour order 597): 0,55.118 0,0 127,0 127.127,0.127 127.127,55.118
GND on GND1 "VCC-GND" (solid, pour order 528): 0,0 127,0 127,54.991 127.127,55.118 126.873,55.372 0,55.372
GND on GND2 "GND-3V3" (solid, pour order 529): 0.127,0 127,0 127,54.864 0,54.864

## Silkscreen, mask and mechanical layers (free items; w line width, h text height)
Top Overlay:
  lines w0.254: 35.56,47.434 35.56,52.07 37.465,53.975 41.275,53.975 ; 35.56,47.498 35.56,47.371 37.338,45.593 42.164,45.593 42.164,46.228 ; 68.58,40.386 61.214,40.386 59.309,38.481 59.309,27.305 60.325,26.289 98.298,26.289 99.949,27.94 99.949,38.735 98.171,40.513 76.581,40.513 ; 88.9,14.224 73.66,14.224 72.263,15.621 72.263,24.003 73.66,25.4 73.914,25.654 98.552,25.654 100.076,24.13 100.076,14.986 99.314,14.224 ; 96.266,14.224 99.314,14.224 ; 99.441,14.351 99.314,14.224
  text "General / Temp Sense" at 41.279,54.229 h0.75 r270
  text "BATT2BST10V" at 58.801,42.037 h0.75
  text "BATT2BST6V" at 51.181,26.797 h0.75
  text "BATT2HEAT" at 59.944,2.921 h0.75
Bottom Overlay:
  lines w0.254: 28.702,39.751 29.718,38.735 33.02,38.735 34.036,39.751 34.163,39.751 ; 75.057,25.781 75.057,29.972 75.692,30.607 ; 75.057,35.433 75.057,31.242 75.692,30.607 ; 77.724,24.892 81.915,24.892 82.296,25.273 82.296,30.226 81.915,30.607 ; 77.724,36.322 81.915,36.322 82.296,35.941 82.296,30.988 81.915,30.607 ; 75.692,30.607 81.915,30.607 ; 75.692,30.607 81.915,30.607
  text "3V3" at 43.434,52.324 h0.75
  text "+BATT" at 53.975,52.324 h0.75
  text "GND" at 43.434,49.784 h0.75
  text "+BATT" at 53.975,49.784 h0.75
  text "CANL" at 43.434,47.371 h0.75
  text "+BATT" at 53.975,47.244 h0.75
  text "PROG <-> RUN" at 35.56,47.117 h0.75
  text "CANH" at 43.434,44.831 h0.75
  text "GND" at 52.324,44.577 h0.75
  text "RX" at 17.018,43.561 h0.75
  text "GND" at 43.307,42.164 h0.75
  text "BPHASE_MOT2" at 58.42,42.164 h0.75
  text "TX" at 17.018,41.148 h0.75
  text "MISO" at 43.434,39.624 h0.75
  text "APHASE_MOT2" at 58.42,39.624 h0.75
  text "MOSI" at 43.434,37.084 h0.75
  text "SCK" at 52.451,37.084 h0.75
  text "PEX1_ADDR" at 77.216,36.068 h0.75
  text "0" at 78.994,34.798 h0.75
  text "1" at 80.772,34.798 h0.75
  text "A2" at 77.089,33.655 h0.75
  text "A1" at 77.089,32.258 h0.75
  text "A0" at 77.089,30.988 h0.75
  text "A0" at 77.089,29.464 h0.75
  text "A1" at 77.089,28.194 h0.75
  text "A2" at 77.089,26.797 h0.75
  text "0" at 78.867,25.908 h0.75
  text "1" at 80.899,25.908 h0.75
  text "PEX2_ADDR" at 77.089,24.765 h0.75
Route Tool Path:
  lines w0.1: 0,20.32 0,0 127,0 127,13.779 127,20.955 120.65,20.955 120.65,33.02 127,33.02 127,41.338 127,55.118 0,55.118 0,35.56 6.985,35.56 6.985,20.32